# Altium PCB RaspberryPi_ExpansionBoard.PcbDoc
Units mil, origin at the board's own origin, x right, y up, seen from the top; angles counter-clockwise.
Board outline 2562.98 x 2308.02 mil, 2 copper layers (Top Layer, Bottom Layer); 66 components, 73 nets, 295 pads, 101 vias.
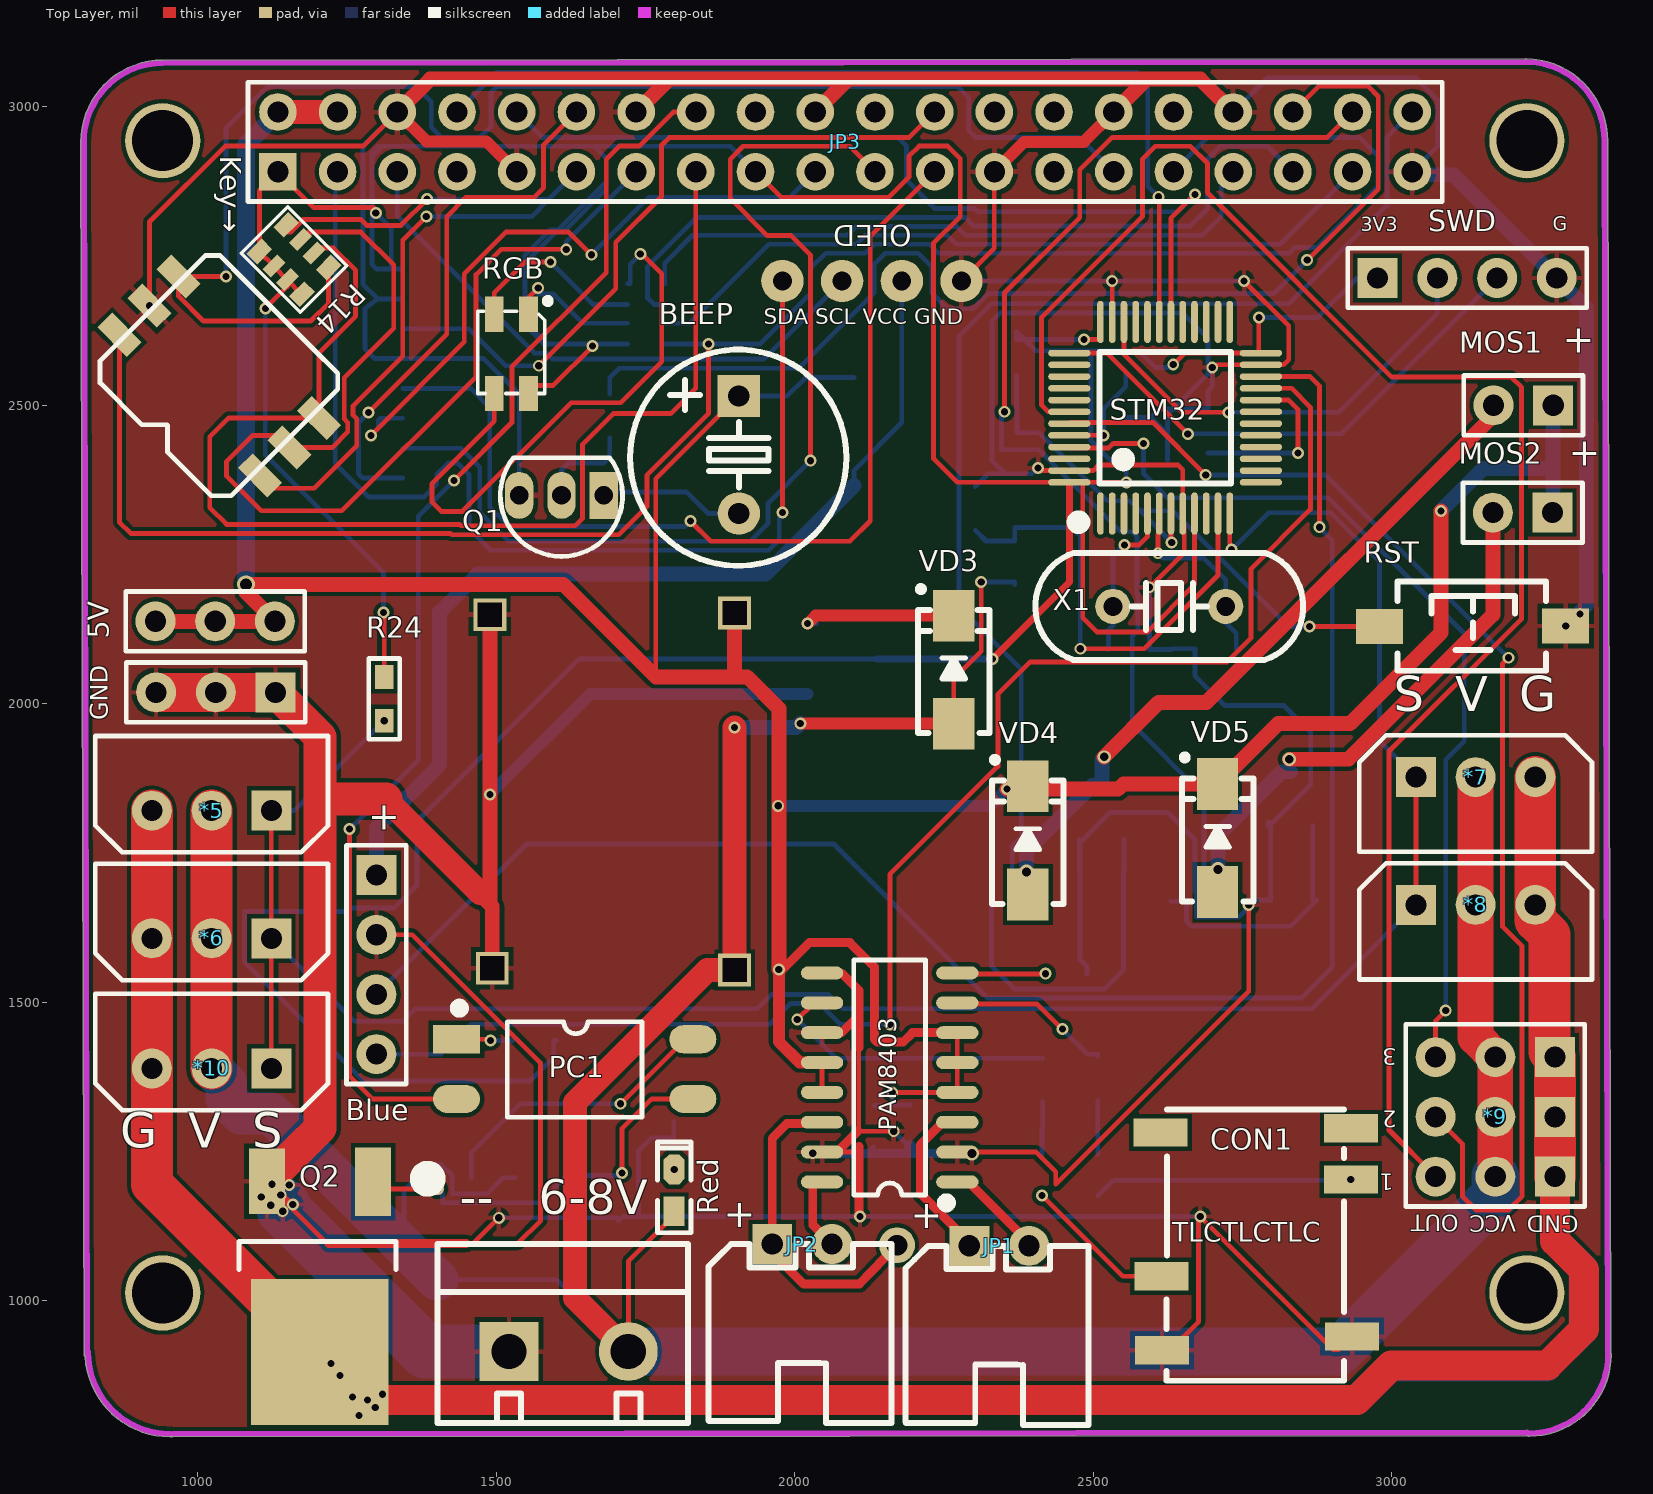
[diagram p0: Top Layer view]
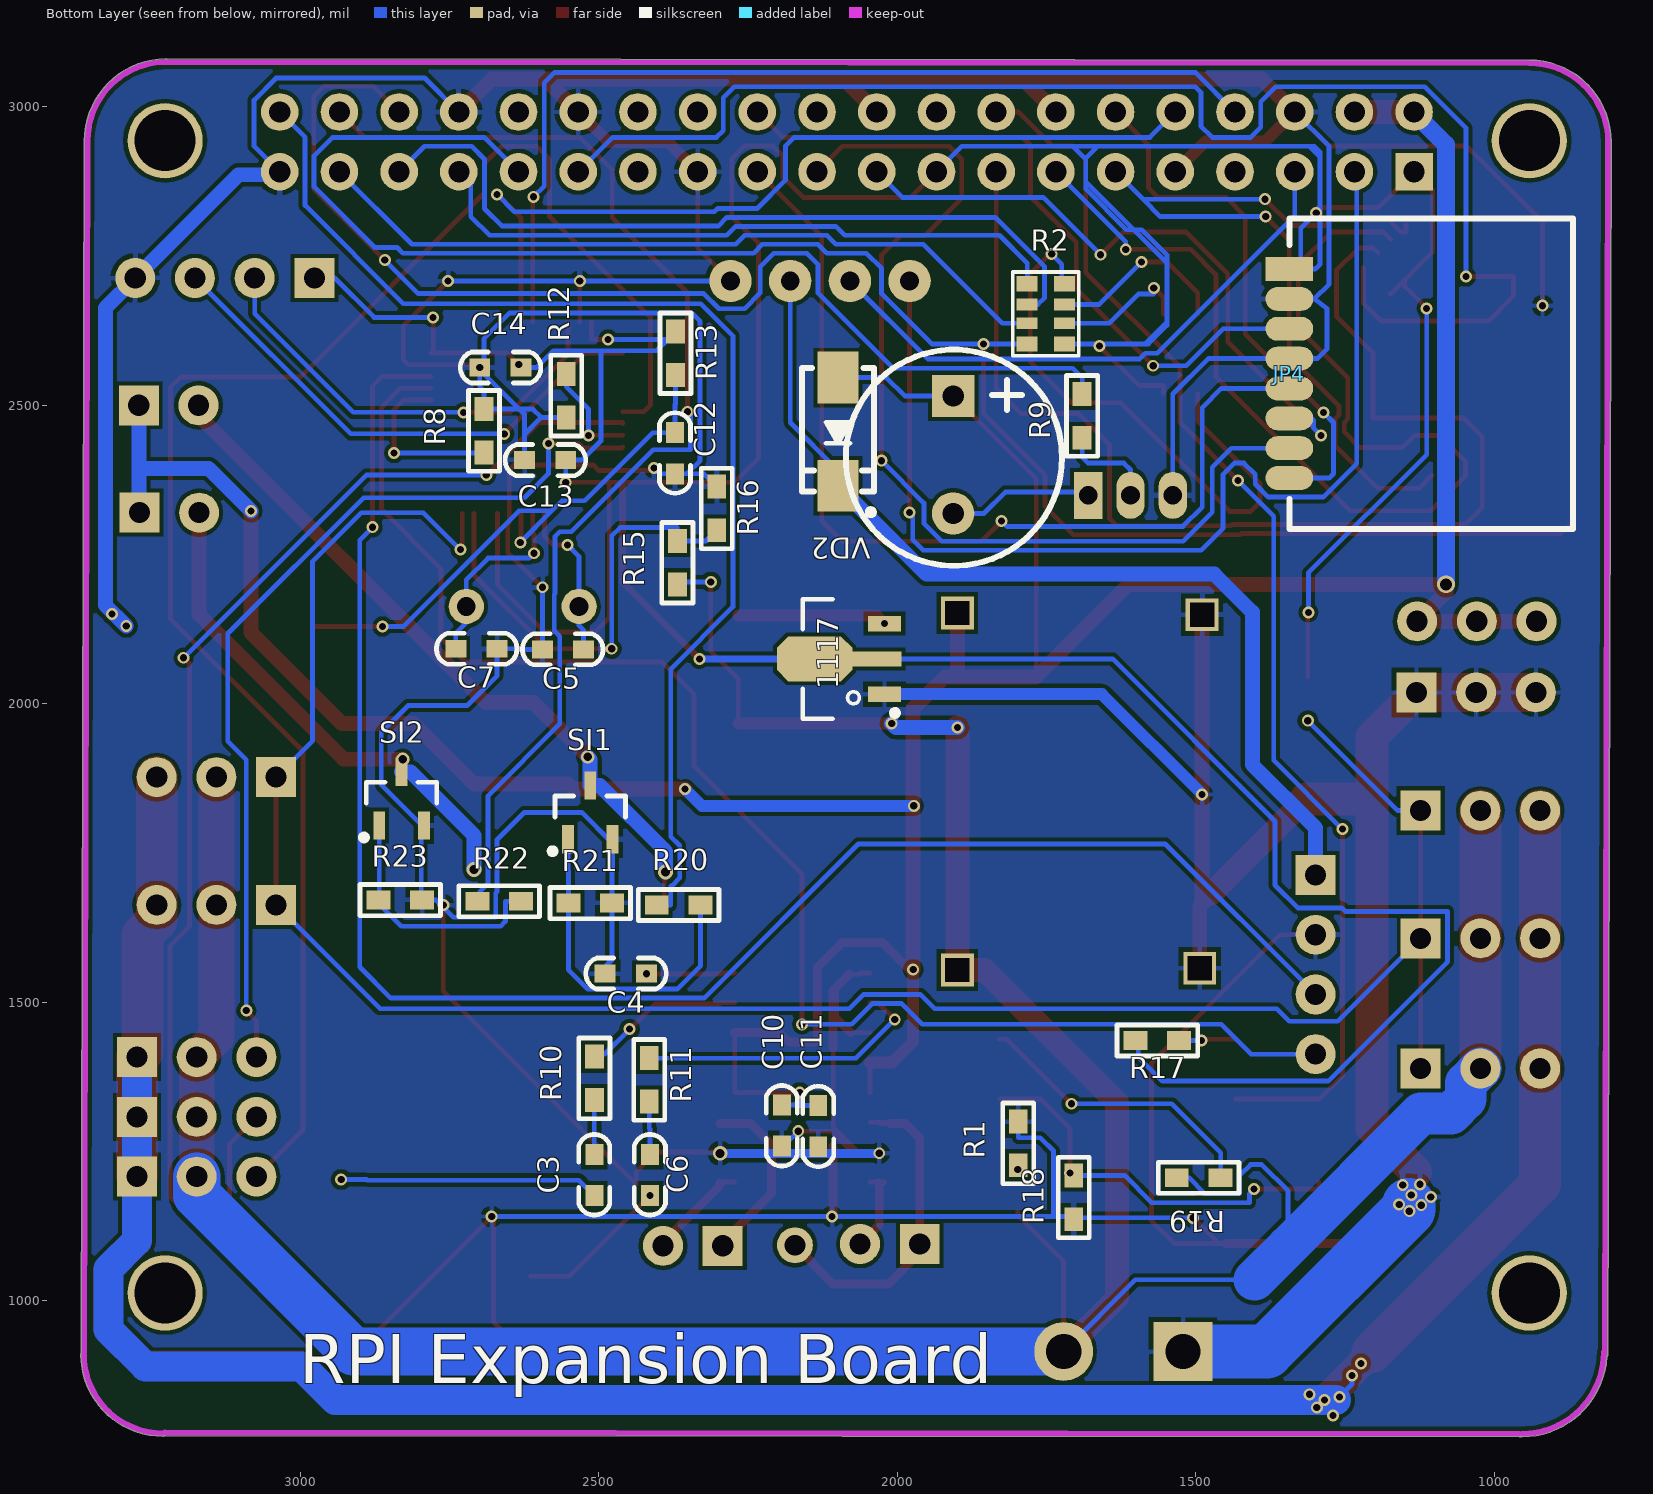
[diagram p1: Bottom Layer view, seen from below]

## Layer stack, top to bottom
Top Solder: solder mask 0.4, Solder Resist, Dk 3.5
Top Layer: signal copper 1.4
Dielectric 1: dielectric 12.6, FR-4, Dk 4.8
Bottom Layer: signal copper 1.4
Bottom Solder: solder mask 0.4, Solder Resist, Dk 3.5

## Board outline
811.38,906.04 ccw(c953,913.99) 953,772.15 ccw(c953,777.16) 955.36,772.74 ccw(c958,777) 958,771.99 3226.17,773.96 ccw(c3226.16,778.97) 3227.04,774.04 ccw(c3230.05,778.05) 3230.05,773.04 ccw(c3230.05,910) 3367.01,910 ccw(c3362,910) 3366.29,912.59 ccw(c3361.47,913.98) 3366.49,913.98 ccw(c3361.47,913.98) 3366.49,914 3361.07,2942.06 ccw(c3356.05,2942.05) 3361.01,2942.79 ccw(c3356,2943) 3361.01,2943 ccw(c3224.05,2943) 3224.67,3079.96 ccw(c3224.05,3074.99) 3224.05,3080 941,3078.01 cw(c941,2941.05) 941,3078.01 ccw(c941,2941.05) 804.04,2941.05 ccw(c809.05,2941.05) 804.04,2941.04 809.47,909.97 ccw(c814.48,909.98)

## Design rules (kind name [scope] priority, off if disabled: settings)
Clearance [All] p1: gap=7 ignorepadtopadclearanceinfootprint=TRUE
ComponentClearance [All] p1: gap=5 collisioncheckmode=3 verticalgap=5 showdistances=FALSE
DiffPairsRouting [All] p1: maxlimit=10 minlimit=7 mostfreqgap=8 toplayer_minwidth=6 toplayer_maxwidth=100 toplayer_prefwidth=8 bottomlayer_minwidth=6 bottomlayer_maxwidth=100 bottomlayer_prefwidth=8 maxuncoupledlength=500
HoleSize [All] p1: absolutevalues=TRUE maxlimit=150 minlimit=12 maxpercent=80.000 minpercent=20.000
HoleToHoleClearance [All] p1: gap=1 allowstackedmicrovias=TRUE
MinimumSolderMaskSliver [All] p1: minsoldermaskwidth=1
NetAntennae [All] p1: netantennaetolerance=2
PlaneClearance [All] p1: clearance=8
PlaneConnect [All] p1: planeconnectstyle=Relief reliefexpansion=15 reliefentries=4 reliefconductorwidth=8 reliefairgap=8
PolygonConnect [All] p1: connectstyle=Relief reliefconductorwidth=7.87 reliefentries=4 polygonreliefangle="90 Angle" airgapwidth=7.87
RoutingVias [All] p1: holewidth=12 width=20 viastyle="Through Hole" minholewidth=12 minwidth=20 maxholewidth=30 maxwidth=50
SilkToSilkClearance [All] p1: silktosilkclearance=0
SilkToSolderMaskClearance [IsPad] p1: minsilkscreentomaskgap=0 clearancetoexposedcopper=TRUE
SolderMaskExpansion [All] p1: expansion=7 useseparateexpansions=TRUE expansionbottom=7
Width [All] p1: maxlimit=120 minlimit=6 preferedwidth=8
20 further rules are at their usual default settings.

## Components (designator, comment, footprint, x,y, rotation, side; value= is the part's Value field where it differs from the comment)
5V "HDR-1X3" HDR-1X3R 1029,2138 r180 top
1117 "AMS1117-3V3" SOT89_N 2098,2075 r90 bottom
*5 "5264" 5264 1123,1821 r180 top
*6 "5264" 5264 1123,1607 r180 top
*7 "S  V  G" 5264 3040,1877 r0 top
*8 "5264" 5264 3040,1663 r0 top
*9 "Head" heard3X3 3688,948 r180 top
*10 "G  V  S" 5264 1123,1389 r180 top
"--   6-8V" "KF301_2P" KF301-2P 1521,915 r0 top
BEEP "BEEP" "BEEP 5x9x5.5" 1906,2417 r180 top
Blue "Bluetooth" HDR-1X4_M 1299,1713 r270 top
C3 "1uF" "C 0603" 2507,1211 r90 bottom
C4 "102" "C 0603" 2454,1548 r180 bottom
C5 "22pF" "C 0603" 2560,2091 r0 bottom
C6 "1uF" "C 0603" 2414,1211 r90 bottom
C7 "22pF" "C 0603" 2704,2092 r180 bottom
C10 "10uF" "C 0603" 2193,1293 r270 bottom
C11 "1uF" "C 0603" 2132,1292 r270 bottom
C12 "104" "C 0603" 2372,2420 r90 bottom
C13 "104" "C 0603" 2589,2408 r180 bottom
C14 "104" "C 0603" 2664,2563 r180 bottom
CON1 "PJ342" PJ342B 2745,1278 r0 top
GND "HDR-1X3" HDR-1X3 1130,2019 r180 top
JP1 "HDR-1X2" XH2.54-WI-2P 2342,1092 r0 top
JP2 "HDR-1X2" XH2.54-WI-2P 2012,1095 r0 top
JP3 "Header 2X11" HDR2.54-LI-2x20P 2084,2941 r0 top
JP4 "HDR-1X8" pad*8 1343,2728 r270 bottom
Key→ "Five-witch" Five-witch 1032.65,2550 r135 top
MOS1 "HDR-1X2" HDR-1X2 3270,2499.84 r180 top
MOS2 "HDR-1X2" HDR-1X2 3269,2320 r180 top
OLED "OLED 0.96-12864_4pin" "OLED 0.96-12864_4pin" 2134,3267.45 r180 top
PAM8403 "PAM8403" SOP16_N 2158.73,1374 r180 top
PC1 "817" SOP4-W2.54_L 1631,1388 r0 top
Q1 "SS8550" TO92A 1609,2349 r90 top
Q2 "P40NF10L" TO252 1204,1079.35 r180 top
R1 "2K" "R 0603" 1797,1263.5 r90 bottom
R2 "103" RCA-8P4R-0603 1751,2653 r90 bottom
R8 "10K" "R 0603" 2692,2457 r90 bottom
R9 "1K" "R 0603" 1690,2482 r270 bottom
R10 "10K" "R 0603" 2507,1372.5 r90 bottom
R11 "10K" "R 0603" 2415,1370 r90 bottom
R12 "1.5K" "R 0603" 2554,2516 r90 bottom
R13 "10K" "R 0603" 2371,2587 r90 bottom
R14 "103" RCA-8P4R-0603 1161,2744 r315 top
R15 "10K" "R 0603" 2368,2236 r90 bottom
R16 "3K" "R 0603" 2302,2327 r90 bottom
R17 "1K" "R 0603" 1564,1436 r0 bottom
R18 "10K" "R 0603" 1704,1173 r90 bottom
R19 "100R" "R 0603" 1495,1206 r0 bottom
R20 "100R" "R 0603" 2365.95,1663 r180 bottom
R21 "10K" "R 0603" 2513.95,1666 r180 bottom
R22 "100R" "R 0603" 2666.5,1669 r180 bottom
R23 "10K" "R 0603" 2832,1671 r180 bottom
R24 "10K" "R 0603" 1312,2008 r270 top
Red "红色" "LED 0603R" 1798,1185 r90 top
RGB "RGB-3528" "LED 3528-4Pin" 1525,2586 r270 top
RST "3x6x5" "TSW SMD-3*6*2.5" 3136,2130 r0 top
SI1 "SI2302" SOT23-3N 2513.95,1818 r180 bottom
SI2 "SI2302" SOT23-3N 2829.95,1841 r180 bottom
STM32 "STM32F103C8" "LQFP48 7X7_N" 2620,2479 r0 top
SWD "Header 4" HDR-1X4 2976,2713 r0 top
VD2 "M7" SMA 2099,2455.75 r270 bottom
VD3 "M7" SMA 2266,2057 r90 top
VD4 "M7" SMA 2389.95,1771 r90 top
VD5 "M7" SMA 2707.95,1775 r90 top
X1 "8MHz" "XTAL-49S DIP" 2627,2163 r180 top

## Footprints (in the part's own frame and the unit in brackets; to place one, negate y for a bottom-side part, rotate by r counter-clockwise, add the part's x,y. Pads: shape width x height; smd on the part's side, far side on the other; paste and mask are expansions set on the pad)
5264 [mm] "总线舵机3针接口"
  rect 1.7x1.7 hole 0.9: 1(0,0)
  round 1.7 hole 0.9: 2(2.54,0) 3(5.08,0)
  silkscreen extent -2.41,-3.18 7.49,1.78, body extent -1.27,-1.27 6.35,1.27, height 8.5
"BEEP 5x9x5.5" [mm] "5*9*5.5mm(脚距,直径,高度)"
  rect 1.8x1.8 hole 0.9: 1(0,-2.5)
  round 1.8 hole 0.9: 2(0,2.5)
  silkscreen extent -4.58,-4.47 4.62,4.72, body extent -4.5,-4.5 4.5,4.5, height 5.45
"C 0603" [mil] "无极性贴片电容"
  rect 35x30 smd: 1(-35,0) 2(34,0)
  silkscreen extent -67,-26 67,26, body extent -31,-16 31,16, height 32
Five-witch [mil] "五向开关"
  rect 70x35 smd: 1(-169,68) 2(-171,0) 3(-171,-70) 4(163,-71) 5(163,-2) 6(164,68)
  silkscreen extent -159,-145 156,150
HDR2.54-LI-2x20P [mm] "双排排针，20x2脚"
  rect 1.6x1.6 hole 0.9: 1(-24.13,-1.27)
  round 1.6 hole 0.9: 2(-24.13,1.27) 3(-21.59,-1.27) 4(-21.59,1.27) 5(-19.05,-1.27) 6(-19.05,1.27) 7(-16.51,-1.27) 8(-16.51,1.27) 9(-13.97,-1.27) 10(-13.97,1.27) 11(-11.43,-1.27) 12(-11.43,1.27) 13(-8.89,-1.27) 14(-8.89,1.27) 15(-6.35,-1.27) 16(-6.35,1.27) 17(-3.81,-1.27) 18(-3.81,1.27) 19(-1.27,-1.27) 20(-1.27,1.27) 21(1.27,-1.27) 22(1.27,1.27) 23(3.81,-1.27) 24(3.81,1.27) 25(6.35,-1.27) 26(6.35,1.27) 27(8.89,-1.27) 28(8.89,1.27) 29(11.43,-1.27) 30(11.43,1.27) 31(13.97,-1.27) 32(13.97,1.27) 33(16.51,-1.27) 34(16.51,1.27) 35(19.05,-1.27) 36(19.05,1.27) 37(21.59,-1.27) 38(21.59,1.27) 39(24.13,-1.27) 40(24.13,1.27)
  silkscreen extent -25.4,-2.54 25.4,2.54, body extent -25.4,-2.54 25.4,2.54, height 8.5
HDR-1X2 [mm] "排针，2脚"
  rect 1.7x1.7 hole 0.9: 1(0,0)
  round 1.7 hole 0.9: 2(2.54,0)
  silkscreen extent -1.27,-1.27 3.81,1.27, body extent -1.27,-1.27 3.81,1.27, height 8.5
HDR-1X3 [mm] "排针，3脚"
  rect 1.7x1.7 hole 0.9: 1(0,0)
  round 1.7 hole 0.9: 2(2.54,0) 3(5.08,0)
  silkscreen extent -1.27,-1.27 6.35,1.27, body extent -1.27,-1.27 6.35,1.27, height 8.5
HDR-1X3R [mm]
  round 1.7 hole 0.9: 1(-2.54,0) 2(0,0) 3(2.54,0)
  silkscreen extent -3.81,-1.27 3.81,1.27, body extent -3.81,-1.27 3.81,1.27, height 8.5
HDR-1X4 [mm] "排针，4脚"
  rect 1.7x1.7 hole 0.9: 1(0,0)
  round 1.7 hole 0.9: 2(2.54,0) 3(5.08,0) 4(7.62,0)
  silkscreen extent -1.27,-1.27 8.89,1.27, body extent -1.27,-1.27 8.89,1.27, height 8.5
HDR-1X4_M [mm] "排母，4脚"
  rect 1.7x1.7 hole 0.9: 1(0,0)
  round 1.7 hole 0.9: 2(2.54,0) 3(5.08,0) 4(7.62,0)
  silkscreen extent -1.27,-1.27 8.89,1.27, body extent -1.27,-1.27 8.89,1.27, height 8.5
heard3X3 [mm]
  rect 1.7x1.7 hole 0.9: 1(10.541,-6.604) 2(10.541,-9.144) 3(10.541,-11.684)
  round 1.7 hole 0.9: 4(13.081,-6.604) 5(13.081,-9.144) 6(13.081,-11.684) 7(15.621,-6.604) 8(15.621,-9.144) 9(15.621,-11.684)
  silkscreen extent 9.27,-13.08 16.89,-5.33, body extent 9.27,-12.95 16.89,-5.33, height 8.5
KF301-2P [mm] "可拼接端子/6A"
  rect 2.5x2.5 hole 1.5: 1(0,0)
  round 2.5 hole 1.5: 2(5.08,0)
  silkscreen extent -3.05,-3.05 7.62,4.57, body extent -2.87,-3 7.63,4.6, height 10.05
"LED 0603R" [mil] "红色0603LED"
  rect 50x35 smd: 1(-35,0.26)
  oct 50x35 smd: 2(35,0.26)
  silkscreen extent -71,-28 81,28, body extent -31,-16 32,16, height 24
"LED 3528-4Pin" [mm] "4脚，3528LED"
  rect 1.5x0.8 smd: 1(-1.689,0.725) 2(-1.689,-0.725) 3(1.689,-0.725) 4(1.689,0.725)
  silkscreen extent -2.37,-1.42 1.69,1.68, body extent -1.75,-1.4 1.75,1.4, height 1.95
"LQFP48 7X7_N" [mm] "48脚，体宽7x7mm，脚距0.5mm"
  oval 0.279x1.8 smd: 1(-2.75,-4.075) 2(-2.25,-4.075) 3(-1.75,-4.075) 4(-1.25,-4.075) 5(-0.75,-4.075) 6(-0.25,-4.075) 7(0.25,-4.075) 8(0.75,-4.075) 9(1.25,-4.075) 10(1.75,-4.075) 11(2.25,-4.075) 12(2.75,-4.075) 25(2.75,4.075) 26(2.25,4.075) 27(1.75,4.075) 28(1.25,4.075) 29(0.75,4.075) 30(0.25,4.075) 31(-0.25,4.075) 32(-0.75,4.075) 33(-1.25,4.075) 34(-1.75,4.075) 35(-2.25,4.075) 36(-2.75,4.075)
  oval 1.8x0.279 smd: 13(4.075,-2.75) 14(4.075,-2.25) 15(4.075,-1.75) 16(4.075,-1.25) 17(4.075,-0.75) 18(4.075,-0.25) 19(4.075,0.25) 20(4.075,0.75) 21(4.075,1.25) 22(4.075,1.75) 23(4.075,2.25) 24(4.075,2.75) 37(-4.075,2.75) 38(-4.075,2.25) 39(-4.075,1.75) 40(-4.075,1.25) 41(-4.075,0.75) 42(-4.075,0.25) 43(-4.075,-0.25) 44(-4.075,-0.75) 45(-4.075,-1.25) 46(-4.075,-1.75) 47(-4.075,-2.25) 48(-4.075,-2.75)
  silkscreen extent -3.93,-4.69 2.79,2.79, body extent -4.5,-4.5 4.5,4.5, height 1.45
"OLED 0.96-12864_4pin" [mm]
  round 1.8 hole 0.8: 1(-3.683,14.21) 2(-1.143,14.21) 3(1.397,14.21) 4(3.937,14.21)
pad*8 [mil]
  rect 40x80 smd: 1(0,0)
  oval 40x80 smd: 2(50,0) 3(100,0) 4(150,0) 5(200,0) 6(250,0) 7(300,0) 8(350,0)
  silkscreen extent -85,0 435,475
PJ342B [mm] "沉板式，无头"
  rect 2.3x1.2 smd: 1(4.724,0.279) 2(-3.378,0.102) 3(4.724,-1.905) 4(-3.327,-6.02) 5(4.775,-8.585) 6(-3.302,-9.169)
  silkscreen extent -3.12,-10.46 4.44,1.07, body extent -3.4,-10.24 4.75,1.22, height 0.25
"R 0603" [mil] "1/10W贴片电阻"
  rect 40x31.5 smd: 1(-36.5,0) 2(36.5,0)
  silkscreen extent -68,-26 68,26, body extent -31,-16 31,16, height 16
RCA-8P4R-0603 [mm] "3.2mm*1.6mm*0.6mm(长*宽*厚)"
  rect 0.65x0.9 smd: 1(-1.28,-0.8) 4(1.28,-0.8) 5(1.28,0.8) 8(-1.28,0.8)
  rect 0.5x0.9 smd: 2(-0.4,-0.8) 3(0.4,-0.8) 6(0.4,0.8) 7(-0.4,0.8)
  silkscreen extent -1.78,-1.4 1.78,1.4, body extent -1.6,-0.8 1.6,0.8, height 0.6
SMA [mm] "4.5x2.6*2.2mm（长宽高，不包括引脚）"
  rect 2.2x1.75 smd: 1(-2.3,0) 2(2.3,0)
  silkscreen extent -2.7,-1.52 3.56,1.52, body extent -2.52,-1.3 2.57,1.3, height 2.15
SOP4-W2.54_L [mm] "6.5*4.58*3.5mm（长宽高）"
  rect 2x1.2 smd: 1(-5.029,1.27)
  oval 2x1.2 smd: 2(-5.029,-1.27) 3(5.029,-1.27) 4(5.029,1.27)
  silkscreen extent -5.06,-2.05 2.87,2.75, body extent -5,-2.29 5,2.29, height 3.83
SOP16_N [mm] "10.3*6.2*1.8mm（长宽高）"
  oval 1.8x0.55 smd: 1(-2.877,4.445) 2(-2.877,3.175) 3(-2.877,1.905) 4(-2.877,0.635) 5(-2.877,-0.635) 6(-2.877,-1.905) 7(-2.877,-3.175) 8(-2.877,-4.445) 9(2.877,-4.445) 10(2.877,-3.175) 11(2.877,-1.905) 12(2.877,-0.635) 13(2.877,0.635) 14(2.877,1.905) 15(2.877,3.175) 16(2.877,4.445)
  silkscreen extent -2.57,-5 1.52,5.49, body extent -3,-5 3,5, height 1.9
SOT23-3N [mm] "3x1.3x1mm(长宽高)"
  rect 0.5x1.2 smd: 1(-0.95,-1.143) 2(0.95,-1.143) 3(0,1.143)
  silkscreen extent -1.73,-1.78 1.5,0.7, body extent -1.5,-1.2 1.5,1.2, height 1.05
SOT89_N [mm] "4.6x4.3x1.6mm(长宽高)"
  rect 0.65x1.4 smd: 1(-1.5,-1.952) 3(1.5,-1.952)
  rect 0.65x2.1 smd: 2(0,-1.626)
  oct 1.9x3.2 smd: 2(0,1.016)
  silkscreen extent -2.54,-2.52 2.54,1.52, body extent -2.3,-2.4 2.3,1.9, height 1.6
TO92A [mm] "92晶体管"
  rect 2x1.2 hole 0.8: 1(0,-1.8)
  oval 2x1.2 hole 0.8: 2(0,0) 3(0,1.8)
  silkscreen extent -2.6,-2.6 1.6,2.6, body extent -2.3,-2.3 1.3,2.3, height 7.6
TO252 [mil] "252晶体管"
  rect 60x115 smd: 1(-89.55,-119.77)
  rect 230x245 smd: 2(0,165.35)
  rect 60x110 smd: 3(88.45,-120.77)
  silkscreen extent -196,-140 135,28, body extent -127,-120 129,251, height 91
"TSW SMD-3*6*2.5" [mm] "3*6*2.5mm"
  rect 2x1.5 smd: 1(-3.996,-0.02) 2(3.937,0)
  silkscreen extent -3.21,-1.9 3.09,1.9, body extent -4,-1.88 4,1.62, height 2.59
XH2.54-WI-2P [mm] "接插件，2P"
  rect 1.7x1.7 hole 0.9: 1(-1.27,0)
  round 1.7 hole 0.9: 2(1.27,0)
  silkscreen extent -3.99,-7.62 3.81,0, body extent -3.77,-7.35 3.77,0.35, height 5.73
"XTAL-49S DIP" [mm]
  round 1.5 hole 0.8: 1(-2.4,0) 2(2.4,0)
  silkscreen extent -5.7,-2.28 5.7,2.28, body extent -5.68,-2.35 5.68,2.3, height 3.5

## Part data
5V GND: library part "Header 3", "3P接插件", BOM名称=3P接, 学习资源=www.ooocke.
1117: library part AMS1117, "三端稳压芯片", BOM名称=ÎÈÑ, 学习资源=www.ooocke.
*5 *6 *8: "单总线舵机接口"
*7 *10: library part 5264, "单总线舵机接口"
*9: library part hader_3*3
"--   6-8V": library part HEAD2, "KF301"
BEEP: "蜂鸣器", BOM名称=蜂, 学习资源=www.ooocke.
Blue: library part Header4booth, "蓝牙/串口"
C3 C4 C5 C6 C7 C10 C11 C12 C13 C14: library part C, "无极性贴片电容", BOM名称=无极性, 学习资源=www.ooocke.
CON1: "3.5耳机插座,4Pin", BOM名称=¶ú», 学习资源=www.ooocke.
JP1 JP2 MOS1 MOS2: library part "Header 2", "2P接插件", BOM名称=2P接, 学习资源=www.ooocke.
JP3: library part "Header 20X2", "20*2P接插件", BOM名称=20*2P接, 学习资源=www.ooocke.
JP4: library part "Header 8", "8P接插件", BOM名称=8P接, 学习资源=www.ooocke.
Key→: "五向开关"
OLED: "12864 点阵屏"
PC1: "线性光耦", BOM名称=ÏßÐ, 学习资源=www.ooocke.
Q1: library part 8550-DIP, "高频放大-PNP型", BOM名称=高频放大, 学习资源=www.ooocke., 属性="40V 1.5A 1W 100MH"
Q2: "N沟场效应管", BOM名称=N沟场, 学习资源=www.ooocke.
R1 R8 R9 R10 R11 R12 R13 R15 R16 R17 R18 R19 R20 R21 R22 R23 R24: library part R, "贴片电阻", BOM名称=ÌùÆ, 学习资源=www.ooocke.
R2 R14: library part R-8P4R, "贴片网络排阻", BOM名称=ÌùÆ¬Í, 学习资源=www.ooocke.
Red: library part LED-SMD, "贴片LED", BOM名称=贴片, 学习资源=www.ooocke.
RGB: library part LED-RGB-3528, "三基色LED", BOM名称=Èý»ùÉ, 学习资源=www.ooocke.
RST: library part "TSW 3x6", "3x6轻触开关", BOM名称=3x6Çá´, 学习资源=www.ooocke.
SI1 SI2: "N沟道场效应管", BOM名称=N¹µµÀ³, 学习资源=www.ooocke.
STM32: "Flaah:64/RAM:20/IO:36", BOM名称=32Î»STMµ, 学习资源=www.ooocke.
SWD: "SWD", LatestRevisionDate=17-Jul-2002, LatestRevisionNote="Re-released for DXP Platform.", Publisher="Altium Limited"
VD2 VD3 VD4 VD5: "整流二极管", BOM名称=整流, 学习资源=www.ooocke.
X1: library part XTAL-2, "2脚晶振", BOM名称=2脚, 学习资源=www.ooocke.

## Free pads (board coordinates)
  round 125.98 hole 102.36: 1(941,2943) 2(3226,2943) 3(3226,1013) 4(941,1013)
  round 60 hole 35: 5(2171,1093)
  rect 55x55 hole 40 square: 6(1493,1557) 7(1899,1554) 8(1899,2152) 9(1489,2149)

## Via types
v1: diameter 20, hole 12, Top Layer to Bottom Layer, 95 vias
v2: diameter 25, hole 15, Top Layer to Bottom Layer, 3 vias
v3: diameter 22, hole 14, Top Layer to Bottom Layer, 2 vias
v4: diameter 30, hole 20, Top Layer to Bottom Layer, 1 vias